# KiCad board PCB.kicad_pcb (continued)
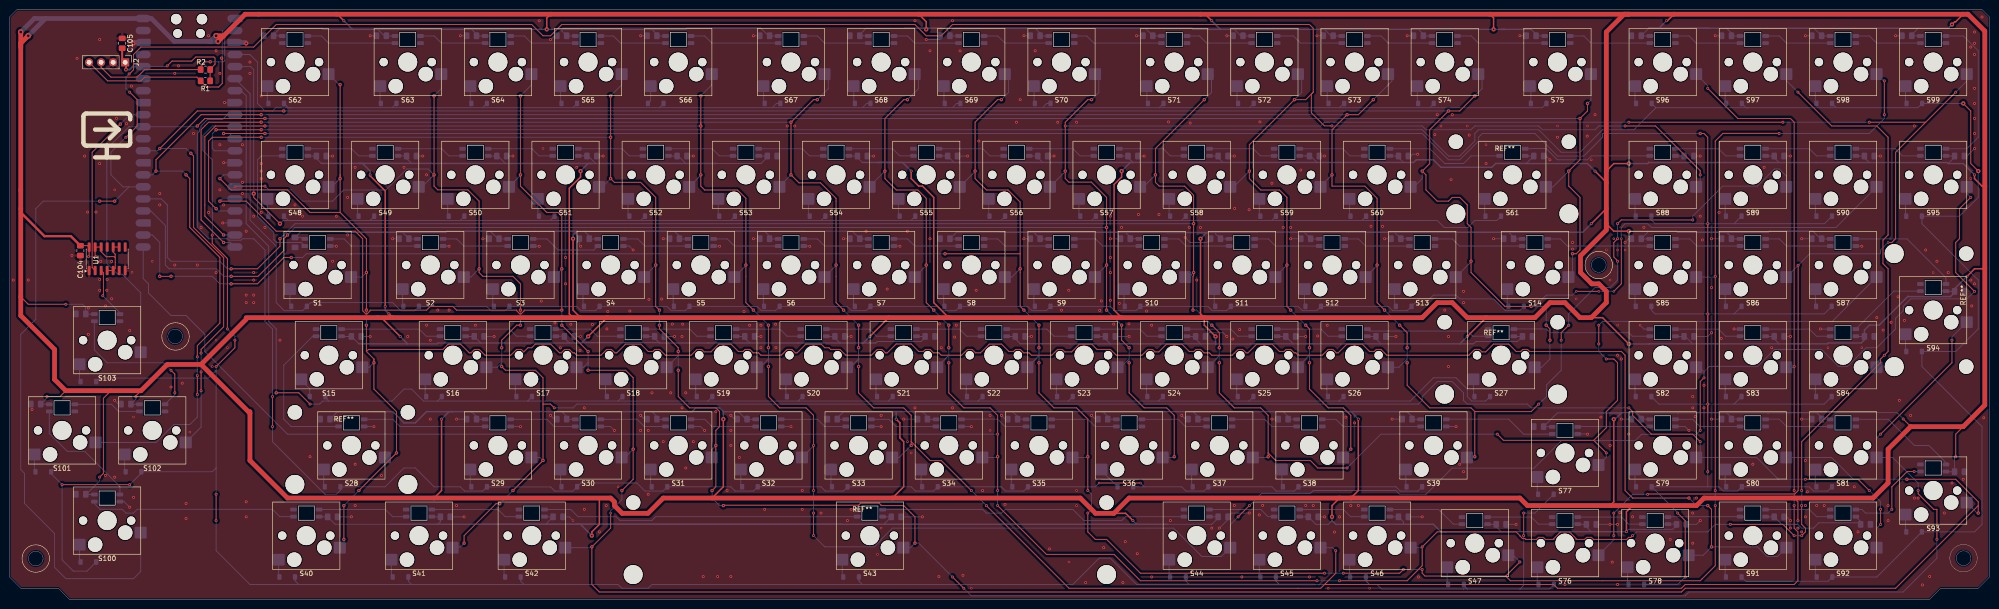
[diagram p0: board, top side]
## Placement (name value [footprint] x y rotation side) (continued)
S83  Keyswitch  [Hotswap_MX_1.00u]  368.28 51.59 180 top
S84  Keyswitch  [Hotswap_MX_1.00u]  387.32 51.59 180 top
S85  Keyswitch  [Hotswap_MX_1.00u]  349.23 70.64 180 top
S86  Keyswitch  [Hotswap_MX_1.00u]  368.28 70.64 180 top
S87  Keyswitch  [Hotswap_MX_1.00u]  387.32 70.64 180 top
S88  Keyswitch  [Hotswap_MX_1.00u]  349.23 89.69 180 top
S89  Keyswitch  [Hotswap_MX_1.00u]  368.28 89.69 180 top
S90  Keyswitch  [Hotswap_MX_1.00u]  387.32 89.69 180 top
S91  Keyswitch  [Hotswap_MX_1.00u]  368.28 13.49 180 top
S92  Keyswitch  [Hotswap_MX_1.00u]  387.32 13.49 180 top
S93  Keyswitch  [Hotswap_MX_2.00u_90deg]  406.37 23.02 180 top
S94  Keyswitch  [Hotswap_MX_2.00u_90deg]  406.37 61.11 180 top
S95  Keyswitch  [Hotswap_MX_1.00u]  406.37 89.69 180 top
S96  Keyswitch  [Hotswap_MX_1.00u]  349.23 113.5 180 top
S97  Keyswitch  [Hotswap_MX_1.00u]  368.28 113.5 180 top
S98  Keyswitch  [Hotswap_MX_1.00u]  387.32 113.5 180 top
S99  Keyswitch  [Hotswap_MX_1.00u]  406.37 113.5 180 top
S100  Keyswitch  [Hotswap_MX_1.00u]  20.64 16.67 180 top
S101  Keyswitch  [Hotswap_MX_1.00u]  11.11 35.72 180 top
S102  Keyswitch  [Hotswap_MX_1.00u]  30.16 35.72 180 top
S103  Keyswitch  [Hotswap_MX_1.00u]  20.64 54.77 180 top
U1  74AHCT125  [SOIC-14_3.9x8.7mm_P1.27mm]  20.64 71.96 90 top

## Library data of the parts
A1 = -: ki_fp_filters: RaspberryPi?Pico?Common* RaspberryPi?Pico?SMD*
C1-C105 = -: Description: Unpolarized capacitor, small symbol; ki_fp_filters: C_*
D1-D103 = -: Description: 1N4148 (DO-35) or 1N4148W (SOD-123); Sim.Device: D; Sim.Pins: 1=K 2=A; ki_fp_filters: D*DO?35*
D104-D206 = -: Datasheet: https://cdn-shop.adafruit.com/product-files/2686/SK6812MINI_REV.01-1-2.pdf; Description: RGB LED with integrated controller; ki_fp_filters: LED*SK6812MINI*PLCC*3.5x3.5mm*P1.75mm*
J2 = -: Description: Generic connector, single row, 01x04, script generated; ki_fp_filters: Connector*:*_1x??_*
R1 R2 = -: Description: Resistor; ki_fp_filters: R_*
S1-S103 = -: Description: Push button switch, normally open, two pins, 45° tilted
U1 = -: Datasheet: https://www.ti.com/lit/ds/symlink/sn74ahct125.pdf; Description: Quadruple Bus Buffer Gates With 3-State Outputs; ki_fp_filters: DIP*W7.62mm* SO14* SSOP?14* TSSOP?14* SOIC*3.9x8.7mm*P1.27mm*

## Footprints (pads in the part's own frame, mm; a bottom-side part is the same pattern mirrored in y, then rotated)
C_0805_2012Metric_Pad1.18x1.45mm_HandSolder
  rrect 1.175x1.45 smd: 1(-1.038,0) 2(1.038,0)
Diode_SOD-123
  rrect 0.9x1.2 smd: 1(-1.65,0) 2(1.65,0)
Hotswap_MX_1.00u
  round 1.75 hole 1.75 unplated: (-5.08,0) (5.08,0)
  round 3.05 hole 3.05 unplated: (-3.81,2.54) (2.54,5.08)
  round 4 hole 4 unplated: (0,0)
  rrect 2.55x2.5 smd far side: 1(-7.085,2.54) 2(5.842,5.08)
Hotswap_MX_1.25u
  round 1.75 hole 1.75 unplated: (-5.08,0) (5.08,0)
  round 3.05 hole 3.05 unplated: (-3.81,2.54) (2.54,5.08)
  round 4 hole 4 unplated: (0,0)
  rrect 2.55x2.5 smd far side: 1(-7.085,2.54) 2(5.842,5.08)
Hotswap_MX_1.50u
  round 1.75 hole 1.75 unplated: (-5.08,0) (5.08,0)
  round 3.05 hole 3.05 unplated: (-3.81,2.54) (2.54,5.08)
  round 4 hole 4 unplated: (0,0)
  rrect 2.55x2.5 smd far side: 1(-7.085,2.54) 2(5.842,5.08)
Hotswap_MX_1.75u
  round 1.75 hole 1.75 unplated: (-5.08,0) (5.08,0)
  round 3.05 hole 3.05 unplated: (-3.81,2.54) (2.54,5.08)
  round 4 hole 4 unplated: (0,0)
  rrect 2.55x2.5 smd far side: 1(-7.085,2.54) 2(5.842,5.08)
Hotswap_MX_2.00u
  round 1.75 hole 1.75 unplated: (-5.08,0) (5.08,0)
  round 3.05 hole 3.05 unplated: (-3.81,2.54) (2.54,5.08)
  round 4 hole 4 unplated: (0,0)
  rrect 2.55x2.5 smd far side: 1(-7.085,2.54) 2(5.842,5.08)
Hotswap_MX_2.00u_90deg
  round 1.75 hole 1.75 unplated: (-5.08,0) (5.08,0)
  round 3.05 hole 3.05 unplated: (-3.81,2.54) (2.54,5.08)
  round 4 hole 4 unplated: (0,0)
  rrect 2.55x2.5 smd far side: 1(-7.085,2.54) 2(5.842,5.08)
Hotswap_MX_2.25u
  round 1.75 hole 1.75 unplated: (-5.08,0) (5.08,0)
  round 3.05 hole 3.05 unplated: (-3.81,2.54) (2.54,5.08)
  round 4 hole 4 unplated: (0,0)
  rrect 2.55x2.5 smd far side: 1(-7.085,2.54) 2(5.842,5.08)
Hotswap_MX_6.25u
  round 1.75 hole 1.75 unplated: (-5.08,0) (5.08,0)
  round 3.05 hole 3.05 unplated: (-3.81,2.54) (2.54,5.08)
  round 4 hole 4 unplated: (0,0)
  rrect 2.55x2.5 smd far side: 1(-7.085,2.54) 2(5.842,5.08)
LED_SK6812MINI
  rrect 1.4x0.82 smd: 1(2.7,0.75) 2(2.7,-0.75) 3(-2.7,-0.75) 4(-2.7,0.75)
PinHeader_1x04_P2.54mm_Vertical
  rect 1.7x1.7 hole 1: 1(0,0)
  round 1.7 hole 1: 2(0,-2.54) 3(0,-5.08) 4(0,-7.62)
R_0805_2012Metric_Pad1.20x1.40mm_HandSolder
  rrect 1.2x1.4 smd: 1(-1,0) 2(1,0)
RaspberryPi_Pico_Common_SMD
  rect 3.8x2.2 smd: (-8.89,-24.13) (-8.89,-21.59) (-8.89,-19.05) (-8.89,-16.51) (-8.89,-13.97) (-8.89,-11.43) (-8.89,-8.89) (-8.89,-6.35) (-8.89,-3.81) (-8.89,-1.27) (-8.89,1.27) (-8.89,3.81) (-8.89,6.35) (-8.89,8.89) (-8.89,11.43) (-8.89,13.97) (-8.89,16.51) (-8.89,19.05) (-8.89,21.59) (-8.89,24.13) (8.89,-24.13) (8.89,-21.59) (8.89,-19.05) (8.89,-16.51) (8.89,-13.97) (8.89,-11.43) (8.89,-8.89) (8.89,-6.35) (8.89,-3.81) (8.89,-1.27) (8.89,1.27) (8.89,3.81) (8.89,6.35) (8.89,8.89) (8.89,11.43) (8.89,13.97) (8.89,16.51) (8.89,19.05) (8.89,21.59) (8.89,24.13)
  round 2.2 hole 2.2 unplated: (-2.725,24) (2.725,24)
  round 1.85 hole 1.85 unplated: (-2.425,20.97) (2.425,20.97)
  custom 3.2x1.6 smd: 1(-9.69,24.13) 3(-9.69,19.05) 8(-9.69,6.35) 13(-9.69,-6.35) 18(-9.69,-19.05) 23(9.69,-19.05) 28(9.69,-6.35) 33(9.69,6.35) 38(9.69,19.05)
  rrect 3.2x1.6 smd: 2(-9.69,21.59) 4(-9.69,16.51) 5(-9.69,13.97) 6(-9.69,11.43) 7(-9.69,8.89) 9(-9.69,3.81) 10(-9.69,1.27) 11(-9.69,-1.27) 12(-9.69,-3.81) 14(-9.69,-8.89) 15(-9.69,-11.43) 16(-9.69,-13.97) 17(-9.69,-16.51) 19(-9.69,-21.59) 20(-9.69,-24.13) 21(9.69,-24.13) 22(9.69,-21.59) 24(9.69,-16.51) 25(9.69,-13.97) 26(9.69,-11.43) 27(9.69,-8.89) 29(9.69,-3.81) 30(9.69,-1.27) 31(9.69,1.27) 32(9.69,3.81) 34(9.69,8.89) 35(9.69,11.43) 36(9.69,13.97) 37(9.69,16.51) 39(9.69,21.59) 40(9.69,24.13)
SOIC-14_3.9x8.7mm_P1.27mm
  rrect 1.95x0.6 smd: 1(-2.475,3.81) 2(-2.475,2.54) 3(-2.475,1.27) 4(-2.475,0) 5(-2.475,-1.27) 6(-2.475,-2.54) 7(-2.475,-3.81) 8(2.475,-3.81) 9(2.475,-2.54) 10(2.475,-1.27) 11(2.475,0) 12(2.475,1.27) 13(2.475,2.54) 14(2.475,3.81)
Stabilizer_MX_2.00u
  round 3.048 hole 3.048 unplated: (-11.938,6.985) (11.938,6.985)
  round 3.988 hole 3.988 unplated: (-11.938,-8.225) (11.938,-8.225)
Stabilizer_MX_6.25u
  round 3.048 hole 3.048 unplated: (-50,6.985) (50,6.985)
  round 3.988 hole 3.988 unplated: (-50,-8.225) (50,-8.225)

## Nets
+3V3: A1.36 C105.2 J2.1 R1.1 R2.1
+5V: A1.40 C1.1 C2.1 C3.1 C4.1 C5.1 C6.1 C7.1 C8.1 C9.1 C10.1 C11.1 C12.1 C13.1 C14.1 C15.1 C16.1 C17.1 C18.1 C19.1 C20.1 C21.1 C22.1 C23.1 C24.1 C25.1 C26.1 C27.1 C28.1 C29.1 C30.1 C31.1 C32.1 C33.1 C34.1 C35.1 C36.1 C37.1 C38.1 C39.1 C40.1 C41.1 C42.1 C43.1 C44.1 C45.1 C46.1 C47.1 C48.1 C49.1 C50.1 C51.1 C52.1 C53.1 C54.1 C55.1 C56.1 C57.1 C58.1 C59.1 C60.1 C61.1 C62.1 C63.1 C64.1 C65.1 C66.1 C67.1 C68.1 C69.1 C70.1 C71.1 C72.1 C73.1 C74.1 C75.1 C76.1 C77.1 C78.1 C79.1 C80.1 C81.1 C82.1 C83.1 C84.1 C85.1 C86.1 C87.1 C88.1 C89.1 C90.1 C91.1 C92.1 C93.1 C94.1 C95.1 C96.1 C97.1 C98.1 C99.1 C100.1 C101.1 C102.1 C103.1 C104.1 D104.1 D105.1 D106.1 D107.1 D108.1 D109.1 D110.1 D111.1 D112.1 D113.1 D114.1 D115.1 D116.1 D117.1 D118.1 D119.1 D120.1 D121.1 D122.1 D123.1 D124.1 D125.1 D126.1 D127.1 D128.1 D129.1 D130.1 D131.1 D132.1 D133.1 D134.1 D135.1 D136.1 D137.1 D138.1 D139.1 D140.1 D141.1 D142.1 D143.1 D144.1 D145.1 D146.1 D147.1 D148.1 D149.1 D150.1 D151.1 D152.1 D153.1 D154.1 D155.1 D156.1 D157.1 D158.1 D159.1 D160.1 D161.1 D162.1 D163.1 D164.1 D165.1 D166.1 D167.1 D168.1 D169.1 D170.1 D171.1 D172.1 D173.1 D174.1 D175.1 D176.1 D177.1 D178.1 D179.1 D180.1 D181.1 D182.1 D183.1 D184.1 D185.1 D186.1 D187.1 D188.1 D189.1 D190.1 D191.1 D192.1 D193.1 D194.1 D195.1 D196.1 D197.1 D198.1 D199.1 D200.1 D201.1 D202.1 D203.1 D204.1 D205.1 D206.1 U1.4 U1.5 U1.9 U1.10 U1.12 U1.13 U1.14
GND: A1.3 A1.8 A1.13 A1.18 A1.23 A1.28 A1.33 A1.38 C1.2 C2.2 C3.2 C4.2 C5.2 C6.2 C7.2 C8.2 C9.2 C10.2 C11.2 C12.2 C13.2 C14.2 C15.2 C16.2 C17.2 C18.2 C19.2 C20.2 C21.2 C22.2 C23.2 C24.2 C25.2 C26.2 C27.2 C28.2 C29.2 C30.2 C31.2 C32.2 C33.2 C34.2 C35.2 C36.2 C37.2 C38.2 C39.2 C40.2 C41.2 C42.2 C43.2 C44.2 C45.2 C46.2 C47.2 C48.2 C49.2 C50.2 C51.2 C52.2 C53.2 C54.2 C55.2 C56.2 C57.2 C58.2 C59.2 C60.2 C61.2 C62.2 C63.2 C64.2 C65.2 C66.2 C67.2 C68.2 C69.2 C70.2 C71.2 C72.2 C73.2 C74.2 C75.2 C76.2 C77.2 C78.2 C79.2 C80.2 C81.2 C82.2 C83.2 C84.2 C85.2 C86.2 C87.2 C88.2 C89.2 C90.2 C91.2 C92.2 C93.2 C94.2 C95.2 C96.2 C97.2 C98.2 C99.2 C100.2 C101.2 C102.2 C103.2 C104.2 C105.1 D104.3 D105.3 D106.3 D107.3 D108.3 D109.3 D110.3 D111.3 D112.3 D113.3 D114.3 D115.3 D116.3 D117.3 D118.3 D119.3 D120.3 D121.3 D122.3 D123.3 D124.3 D125.3 D126.3 D127.3 D128.3 D129.3 D130.3 D131.3 D132.3 D133.3 D134.3 D135.3 D136.3 D137.3 D138.3 D139.3 D140.3 D141.3 D142.3 D143.3 D144.3 D145.3 D146.3 D147.3 D148.3 D149.3 D150.3 D151.3 D152.3 D153.3 D154.3 D155.3 D156.3 D157.3 D158.3 D159.3 D160.3 D161.3 D162.3 D163.3 D164.3 D165.3 D166.3 D167.3 D168.3 D169.3 D170.3 D171.3 D172.3 D173.3 D174.3 D175.3 D176.3 D177.3 D178.3 D179.3 D180.3 D181.3 D182.3 D183.3 D184.3 D185.3 D186.3 D187.3 D188.3 D189.3 D190.3 D191.3 D192.3 D193.3 D194.3 D195.3 D196.3 D197.3 D198.3 D199.3 D200.3 D201.3 D202.3 D203.3 D204.3 D205.3 D206.3 J2.2 U1.1 U1.7
COL 0: A1.14 S1.1 S15.1 S28.1 S40.1 S48.1 S62.1 S78.1 S91.1
COL 1: A1.15 S2.1 S16.1 S29.1 S41.1 S49.1 S63.1 S79.1 S92.1
COL 2: A1.16 S3.1 S17.1 S30.1 S42.1 S50.1 S64.1 S80.1 S93.1
COL 3: A1.17 S4.1 S18.1 S31.1 S43.1 S51.1 S65.1 S81.1 S94.1
COL 4: A1.19 S5.1 S19.1 S32.1 S44.1 S52.1 S66.1 S82.1 S95.1
COL 5: A1.20 S6.1 S20.1 S33.1 S45.1 S53.1 S67.1 S83.1 S96.1
COL 6: A1.21 S7.1 S21.1 S34.1 S46.1 S54.1 S68.1 S84.1 S97.1
COL 7: A1.22 S8.1 S22.1 S35.1 S47.1 S55.1 S69.1 S85.1 S98.1
COL 8: A1.24 S9.1 S23.1 S36.1 S56.1 S70.1 S76.1 S86.1 S99.1
COL 9: A1.25 S10.1 S24.1 S37.1 S57.1 S71.1 S77.1 S87.1
COL 10: A1.26 S11.1 S25.1 S38.1 S58.1 S72.1 S88.1 S100.1
COL 11: A1.27 S12.1 S26.1 S39.1 S59.1 S73.1 S89.1 S101.1
COL 12: A1.29 S13.1 S27.1 S60.1 S74.1 S90.1 S102.1
COL 13: A1.31 S14.1 S61.1 S75.1 S103.1
LED DATA: D104.4 U1.3
LED GPIO: A1.32 U1.2
O-SCL: A1.2 J2.3 R2.2
O-SDA: A1.1 J2.4 R1.2
ROW 0: A1.4 D62.1 D63.1 D64.1 D65.1 D66.1 D67.1 D68.1 D69.1 D70.1 D71.1 D72.1 D73.1 D74.1 D75.1
ROW 1: A1.5 D48.1 D49.1 D50.1 D51.1 D52.1 D53.1 D54.1 D55.1 D56.1 D57.1 D58.1 D59.1 D60.1 D61.1
ROW 2: A1.6 D1.1 D2.1 D3.1 D4.1 D5.1 D6.1 D7.1 D8.1 D9.1 D10.1 D11.1 D12.1 D13.1 D14.1
ROW 3: A1.7 D15.1 D16.1 D17.1 D18.1 D19.1 D20.1 D21.1 D22.1 D23.1 D24.1 D25.1 D26.1 D27.1
ROW 4: A1.9 D28.1 D29.1 D30.1 D31.1 D32.1 D33.1 D34.1 D35.1 D36.1 D37.1 D38.1 D39.1
ROW 5: A1.10 D40.1 D41.1 D42.1 D43.1 D44.1 D45.1 D46.1 D47.1 D76.1 D77.1 D100.1 D101.1 D102.1 D103.1
ROW 6: A1.11 D78.1 D79.1 D80.1 D81.1 D82.1 D83.1 D84.1 D85.1 D86.1 D87.1 D88.1 D89.1 D90.1
ROW 7: A1.12 D91.1 D92.1 D93.1 D94.1 D95.1 D96.1 D97.1 D98.1 D99.1
Net-(D1-A): D1.2 S1.2
Net-(D2-A): D2.2 S2.2
Net-(D3-A): D3.2 S3.2
Net-(D4-A): D4.2 S4.2
Net-(D5-A): D5.2 S5.2
Net-(D6-A): D6.2 S6.2
Net-(D7-A): D7.2 S7.2
Net-(D8-A): D8.2 S8.2
Net-(D9-A): D9.2 S9.2
Net-(D10-A): D10.2 S10.2
Net-(D11-A): D11.2 S11.2
Net-(D12-A): D12.2 S12.2
Net-(D13-A): D13.2 S13.2
Net-(D14-A): D14.2 S14.2
Net-(D15-A): D15.2 S15.2
Net-(D16-A): D16.2 S16.2
Net-(D17-A): D17.2 S17.2
Net-(D18-A): D18.2 S18.2
Net-(D19-A): D19.2 S19.2
Net-(D20-A): D20.2 S20.2
Net-(D21-A): D21.2 S21.2
Net-(D22-A): D22.2 S22.2
Net-(D23-A): D23.2 S23.2
Net-(D24-A): D24.2 S24.2
Net-(D25-A): D25.2 S25.2
Net-(D26-A): D26.2 S26.2
Net-(D27-A): D27.2 S27.2
Net-(D28-A): D28.2 S28.2
Net-(D29-A): D29.2 S29.2
Net-(D30-A): D30.2 S30.2
Net-(D31-A): D31.2 S31.2
Net-(D32-A): D32.2 S32.2
Net-(D33-A): D33.2 S33.2
Net-(D34-A): D34.2 S34.2
Net-(D35-A): D35.2 S35.2
Net-(D36-A): D36.2 S36.2
Net-(D37-A): D37.2 S37.2
Net-(D38-A): D38.2 S38.2
Net-(D39-A): D39.2 S39.2
Net-(D40-A): D40.2 S40.2
Net-(D41-A): D41.2 S41.2
Net-(D42-A): D42.2 S42.2
Net-(D43-A): D43.2 S43.2
Net-(D44-A): D44.2 S44.2
Net-(D45-A): D45.2 S45.2
Net-(D46-A): D46.2 S46.2
Net-(D47-A): D47.2 S47.2
Net-(D48-A): D48.2 S48.2
Net-(D49-A): D49.2 S49.2
Net-(D50-A): D50.2 S50.2
Net-(D51-A): D51.2 S51.2
Net-(D52-A): D52.2 S52.2
Net-(D53-A): D53.2 S53.2
Net-(D54-A): D54.2 S54.2
Net-(D55-A): D55.2 S55.2
Net-(D56-A): D56.2 S56.2
Net-(D57-A): D57.2 S57.2
Net-(D58-A): D58.2 S58.2
Net-(D59-A): D59.2 S59.2
Net-(D60-A): D60.2 S60.2
Net-(D61-A): D61.2 S61.2
Net-(D62-A): D62.2 S62.2
Net-(D63-A): D63.2 S63.2
Net-(D64-A): D64.2 S64.2
Net-(D65-A): D65.2 S65.2
Net-(D66-A): D66.2 S66.2
Net-(D67-A): D67.2 S67.2
Net-(D68-A): D68.2 S68.2
Net-(D69-A): D69.2 S69.2
Net-(D70-A): D70.2 S70.2
Net-(D71-A): D71.2 S71.2
Net-(D72-A): D72.2 S72.2
Net-(D73-A): D73.2 S73.2
Net-(D74-A): D74.2 S74.2
Net-(D75-A): D75.2 S75.2
Net-(D76-A): D76.2 S76.2
Net-(D77-A): D77.2 S77.2
Net-(D78-A): D78.2 S78.2
Net-(D79-A): D79.2 S79.2
Net-(D80-A): D80.2 S80.2
Net-(D81-A): D81.2 S81.2
Net-(D82-A): D82.2 S82.2
Net-(D83-A): D83.2 S83.2
Net-(D84-A): D84.2 S84.2
Net-(D85-A): D85.2 S85.2
Net-(D86-A): D86.2 S86.2
Net-(D87-A): D87.2 S87.2
Net-(D88-A): D88.2 S88.2
Net-(D89-A): D89.2 S89.2
Net-(D90-A): D90.2 S90.2
Net-(D91-A): D91.2 S91.2
Net-(D92-A): D92.2 S92.2
Net-(D93-A): D93.2 S93.2
Net-(D94-A): D94.2 S94.2
Net-(D95-A): D95.2 S95.2
Net-(D96-A): D96.2 S96.2
Net-(D97-A): D97.2 S97.2
Net-(D98-A): D98.2 S98.2
Net-(D99-A): D99.2 S99.2
Net-(D100-A): D100.2 S100.2
Net-(D101-A): D101.2 S101.2
Net-(D102-A): D102.2 S102.2
Net-(D103-A): D103.2 S103.2
Net-(D104-DOUT): D104.2 D105.4
Net-(D105-DOUT): D105.2 D106.4
Net-(D106-DOUT): D106.2 D107.4
Net-(D107-DOUT): D107.2 D108.4
Net-(D108-DOUT): D108.2 D109.4
Net-(D109-DOUT): D109.2 D110.4
Net-(D110-DOUT): D110.2 D111.4
Net-(D111-DOUT): D111.2 D112.4
Net-(D112-DOUT): D112.2 D113.4
Net-(D113-DOUT): D113.2 D114.4
Net-(D114-DOUT): D114.2 D115.4
Net-(D115-DOUT): D115.2 D116.4
Net-(D116-DOUT): D116.2 D117.4
Net-(D117-DOUT): D117.2 D118.4
Net-(D118-DOUT): D118.2 D119.4
Net-(D119-DOUT): D119.2 D120.4
Net-(D120-DOUT): D120.2 D121.4
Net-(D121-DOUT): D121.2 D122.4
Net-(D122-DOUT): D122.2 D123.4
Net-(D123-DOUT): D123.2 D124.4
Net-(D124-DOUT): D124.2 D125.4
Net-(D125-DOUT): D125.2 D126.4
Net-(D126-DOUT): D126.2 D127.4
Net-(D127-DOUT): D127.2 D128.4
Net-(D128-DOUT): D128.2 D129.4
Net-(D129-DOUT): D129.2 D130.4
Net-(D130-DOUT): D130.2 D131.4
Net-(D131-DOUT): D131.2 D132.4
Net-(D132-DOUT): D132.2 D133.4
Net-(D133-DOUT): D133.2 D134.4
Net-(D134-DOUT): D134.2 D135.4
Net-(D135-DOUT): D135.2 D136.4
Net-(D136-DOUT): D136.2 D137.4
Net-(D137-DOUT): D137.2 D138.4
Net-(D138-DOUT): D138.2 D139.4
Net-(D139-DOUT): D139.2 D140.4
Net-(D140-DOUT): D140.2 D141.4
Net-(D141-DOUT): D141.2 D142.4
Net-(D142-DOUT): D142.2 D143.4
Net-(D143-DOUT): D143.2 D144.4
Net-(D144-DOUT): D144.2 D145.4
Net-(D145-DOUT): D145.2 D146.4
Net-(D146-DOUT): D146.2 D147.4
Net-(D147-DOUT): D147.2 D148.4
Net-(D148-DOUT): D148.2 D149.4
Net-(D149-DOUT): D149.2 D150.4
Net-(D150-DOUT): D150.2 D151.4
Net-(D151-DOUT): D151.2 D152.4
Net-(D152-DOUT): D152.2 D153.4
Net-(D153-DOUT): D153.2 D154.4
Net-(D154-DOUT): D154.2 D155.4
Net-(D155-DOUT): D155.2 D156.4
Net-(D156-DOUT): D156.2 D157.4
Net-(D157-DOUT): D157.2 D158.4
Net-(D158-DOUT): D158.2 D159.4
Net-(D159-DOUT): D159.2 D160.4
Net-(D160-DOUT): D160.2 D161.4
Net-(D161-DOUT): D161.2 D162.4
Net-(D162-DOUT): D162.2 D163.4
Net-(D163-DOUT): D163.2 D164.4
Net-(D164-DOUT): D164.2 D165.4
Net-(D165-DOUT): D165.2 D166.4
Net-(D166-DOUT): D166.2 D167.4
Net-(D167-DOUT): D167.2 D168.4
Net-(D168-DOUT): D168.2 D169.4
Net-(D169-DOUT): D169.2 D170.4
Net-(D170-DOUT): D170.2 D171.4
Net-(D171-DOUT): D171.2 D172.4
Net-(D172-DOUT): D172.2 D173.4
Net-(D173-DOUT): D173.2 D174.4
Net-(D174-DOUT): D174.2 D175.4
Net-(D175-DOUT): D175.2 D176.4
Net-(D176-DOUT): D176.2 D177.4
Net-(D177-DOUT): D177.2 D178.4
Net-(D178-DOUT): D178.2 D179.4
Net-(D179-DOUT): D179.2 D180.4
Net-(D180-DOUT): D180.2 D181.4
Net-(D181-DOUT): D181.2 D182.4
Net-(D182-DOUT): D182.2 D183.4
Net-(D183-DOUT): D183.2 D184.4
Net-(D184-DOUT): D184.2 D185.4
Net-(D185-DOUT): D185.2 D186.4
Net-(D186-DOUT): D186.2 D187.4
Net-(D187-DOUT): D187.2 D188.4
Net-(D188-DOUT): D188.2 D189.4
Net-(D189-DOUT): D189.2 D190.4
Net-(D190-DOUT): D190.2 D191.4
Net-(D191-DOUT): D191.2 D192.4
Net-(D192-DOUT): D192.2 D193.4
Net-(D193-DOUT): D193.2 D194.4
Net-(D194-DOUT): D194.2 D195.4
Net-(D195-DOUT): D195.2 D196.4
Net-(D196-DOUT): D196.2 D197.4
Net-(D197-DOUT): D197.2 D198.4
Net-(D198-DOUT): D198.2 D199.4
Net-(D199-DOUT): D199.2 D200.4
Net-(D200-DOUT): D200.2 D201.4
Net-(D201-DOUT): D201.2 D202.4
Net-(D202-DOUT): D202.2 D203.4
Net-(D203-DOUT): D203.2 D204.4
Net-(D204-DOUT): D204.2 D205.4
Net-(D205-DOUT): D205.2 D206.4

Pads without a net: A1 30 34 35 37 39; D206 2; U1 6 8 11

## Via types
v1: diameter 0.6, hole 0.3, Top to Bottom, 557 vias
v2: diameter 0.5, hole 0.3, Top to Bottom, 49 vias
v3: diameter 0.7, hole 0.3, Top to Bottom, 163 vias
v4: diameter 0.9, hole 0.4, Top to Bottom, 23 vias
v5: diameter 0.8, hole 0.4, Top to Bottom, 1 via
v6: diameter 0.6, hole 0.35, Top to Bottom, 17 vias
v7: diameter 0.6, hole 0.4, Top to Bottom, 2 vias
v8: diameter 1.2, hole 0.6, Top to Bottom, 4 vias

## Routing (per net, layer and track width the routed paths; a pad name or vN(x,y) marks a point on that pad's centre or on a via; arc(x,y) is an arc through that point)
+3V3: length 31.2
  Top w0.2: v1(33.34,112.71) 34.34,113.71 38.49,113.71 39.36,114.58 43.17,114.58 43.43,114.33 43.43,113.06 42.39,112.02 R2.1 ; R2.1 R1.1 ; R2.1 42.39,112.59
  Top w0.4: v5(24.6,111.91) 24.6,112.71 24.44,112.87 24.44,113.85 ; J2.1 23.81,114.07 C105.2
  Bottom w0.2: v1(33.34,112.71) 33.18,112.55 A1.36
  Bottom w0.4: v5(24.6,111.91) 25.4,111.91 26.03,112.55 A1.36
+5V: length 4206.8
  Top w0.2: 16.83,72.56 U1.14 16.54,74.72 C104.1 ; v1(411.14,30.16) 411.14,34.92 412.72,36.51 ; v1(377.8,16.67) 377.8,20.64 377.01,21.43 ; 27.78,44.1 26.71,43.03 v1(26.71,42.86) ; v1(7.94,42.86) 10.67,42.86 11.91,44.1 ; 2.38,63.94 3.97,62.35 v1(11.91,62.35) ; v1(19.05,25.84) 19.84,26.64 19.84,42.51 21.43,44.1 ; U1.4 U1.5 22.35,69.92 22.35,72.93 21.91,73.36 U1.10 U1.9 ; 22.35,72.16 22.09,72.42 21.13,72.42 21.11,72.4 20.42,72.4 19.37,73.46 ; v1(400.04,38.13) 401.61,36.56 401.61,36.51 ; U1.12 U1.13 18.1,72.56
  Top w0.3: 234.94,59.53 233.35,61.11 233.35,87.65 234.94,89.24 v4(234.94,90.48) ; v6(334.15,79.37) 337.32,82.54 ; 198.43,59.53 195.25,62.7 195.25,84.93 192.87,87.31 192.08,87.31 190.49,88.89 v6(190.49,90.48) ; v6(253.98,122.23) 252.6,123.61 251.6,123.61 ; 283.35,21.43 284.94,23.02 v7(284.94,38.1) ; v6(181.76,55.56) 185.73,59.53 ; v4(120.64,90.48) 120.64,89.24 118.26,86.86 118.26,60.32 119.06,59.53 ; 69.05,123.61 69.26,123.61 v6(70.64,122.23) ; v4(410.34,121.44) 410.93,122.02 411.14,122.02 412.72,123.61 ; 417.28,69.85 415.11,69.85 v6(413.52,68.26) ; 351.61,123.61 350.23,122.23 v6(350.02,122.23) ; v4(313.51,120.41) 313.51,122.82 312.72,123.61 ; v6(415.11,89.69) 415.11,88.89 416.69,87.31 417.28,87.31 ; 192.08,123.61 193.66,122.02 v4(193.66,120.41) ; v7(187.31,38.1) 188.11,37.3 188.11,34.13 188.9,33.34 188.9,23.81 186.52,21.43 ; 124.61,21.43 124.61,15.87 123.02,14.29 v4(123.02,13.49) ; 342.88,19.84 341.58,18.54 v6(341.58,14.33) ; v6(76.2,89.69) 76.2,89.47 79.37,86.29 v6(79.37,61.91) ; v6(237.32,16.67) 235.78,18.2 233.3,18.2 ; 337.32,90.48 338.91,92.07 v4(342.08,92.07) ; v4(254.78,55.56) 252.4,57.94 252.4,59.53 251.6,60.32 v4(251.6,76.2) ; v4(279.38,17.46) 279.38,19.84 280.97,21.43 ; v4(342.08,77.78) 338.91,77.78 337.32,79.37 ; v4(119.06,76.2) 119.06,61.11 120.64,59.53 ; v6(334.94,90.48) 337.32,88.1 ; 334.15,59.53 336.53,59.53 v4(342.08,53.97) ; v4(150.8,38.1) 150.8,23.81 148.42,21.43 ; v6(91.28,38.1) 91.28,23.02 89.69,21.43 ; 114.29,123.61 113.5,122.82 v4(113.5,120.41) ; v6(307.96,55.56) 311.92,59.53 ; 338.12,19.84 338.91,20.64 v4(338.91,38.1) ; v6(80.16,60.32) 80.96,59.53 ; v6(82.54,55.56) 78.58,59.53 77.78,59.53 ; v4(122.23,55.56) 126.2,59.53
  Top w0.5: 2.38,81.75 7.4,76.74 12.97,76.74 C104.1
  Top w1: 2.38,81.4 2.38,59.97 9.52,52.83 9.52,46.48 11.91,44.1 27.78,44.1 33.34,49.65 40.48,49.65 ; 2.38,116.67 2.38,81.75 ; 2.38,116.67 v8(2.38,119.85) ; 2.38,116.67 2.38,117.47 v8(3.97,119.06) ; 342.08,123.61 413.73,123.61 417.28,120.06 417.28,41.07 412.72,36.51 401.61,36.51 396.85,31.75 396.85,24.6 393.68,21.43 357.96,21.43 356.37,19.84 320.65,19.84 319.07,21.43 236.52,21.43 233.3,18.2 229.43,18.2 226.2,21.43 138.1,21.43 134.88,18.2 129.43,18.2 127.79,19.84 127.79,20.64 126.99,21.43 58.73,21.43 50.8,29.37 50.8,39.69 ; 342.08,123.61 341.08,123.61 337.32,119.85 337.32,78.03 331.88,72.59 331.88,69.04 334.26,66.67 335.74,66.67 337.32,65.08 337.32,62.7 334.15,59.53 331.77,59.53 328.59,62.7 325.42,62.7 322.24,59.53 307.96,59.53 304.78,62.7 301.61,62.7 298.43,59.53 50,59.53 ; 342.08,123.61 49.8,123.61 45.24,119.06 ; 45.24,119.06 v8(44.05,117.86) ; 45.24,119.06 v8(43.65,119.06) ; 40.48,49.65 50.8,39.34 ; 40.48,49.65 50,59.18
  Bottom w0.2: C49.1 390.07,55.56 D152.1 ; v1(11.91,62.35) 15.43,62.35 16.04,61.74 16.04,59.8 ; D171.1 63.06,93.66 C67.1 64.84,93.14 65.88,92.1 ; 70.98,77.57 70.88,77.67 61.55,77.67 C66.1 62.1,76.44 D170.1 ; 97.63,120.41 98.66,119.37 C100.1 98.71,119.01 D204.1 ; D144.1 210.69,55.56 C41.1 212.47,55.07 213.51,54.03 ; 377.8,15.87 v1(377.8,16.67) ; 377.8,15.87 378.59,15.08 381.1,15.08 382.23,16.21 390.59,16.21 ; 377.8,15.87 374.38,15.87 C16.1 371.02,17.46 D118.1 ; D145.1 229.74,55.56 C42.1 231.52,55.04 232.55,54 ; D202.1 136.8,119.01 C98.1 136.76,119.37 135.72,120.41 ; v1(19.05,25.84) 19.05,25.05 16.12,22.12 ; 292.53,77.57 C55.1 295.69,76.2 D158.1 ; 113.5,15.89 113.5,16.12 C8.1 113.07,17.46 D110.1 ; 256.37,92.3 255.33,93.34 C77.1 253.55,93.66 D181.1 ; 316.69,77.57 317.72,76.54 C54.1 317.77,76.15 D157.1 ; 334.15,14.33 333.11,15.37 C14.1 331.34,15.87 D116.1 ; D161.1 238.54,76.2 C58.1 236.77,76.54 235.73,77.57 ; 381.22,120.64 C87.1 382.85,119.01 D190.1 ; 403.2,120.64 401.86,119.3 C86.1 403.63,119.06 D189.1 ; D199.1 198.71,119.01 C95.1 198.67,119.6 197.63,120.64 ; 192.87,39.69 193.91,38.65 C28.1 193.95,38.05 D130.1 ; D155.1 363.8,76.15 363.76,76.2 363.76,76.54 362.72,77.57 ; D143.1 191.64,55.56 C40.1 193.42,55.32 192.61,54.5 183.32,54.5 183,54.18 ; D182.1 273.78,93.7 273.83,93.66 C78.1 274.85,93.66 276.21,92.3 ; 269.06,39.69 270.1,38.65 C24.1 271.88,38.1 D126.1 ; 271.17,54 C44.1 267.84,55.56 D147.1 ; D185.1 351.97,93.66 C82.1 354.2,93.66 355.58,92.28 ; 90.48,15.89 91.03,16.44 C7.1 89.26,17.46 D109.1 ; 294.46,15.9 294.46,16.42 C12.1 291.65,17.46 D114.1 ; D106.1 8.37,41.27 C2.1 7.94,42.62 v1(7.94,42.86) ; 277.8,120.41 279.15,119.06 C91.1 279.67,119.01 D195.1 ; 76.99,39.69 69.3,39.69 C6.1 69.48,38.1 D136.1 ; 104.77,92.09 103.2,93.66 C69.1 101.16,93.66 D173.1 ; D112.1 253.55,17.46 C10.1 255.33,17.22 253.98,15.87 253.96,15.89 244.72,15.89 ; D122.1 365.53,38.1 363.76,38.1 363.76,38.44 362.72,39.47 ; D131.1 174.9,38.05 C29.1 174.86,38.34 176.2,39.69 185.48,39.69 ; D156.1 344.75,76.15 C53.1 346.05,77.54 346.05,77.78 ; D124.1 325.85,36.51 C22.1 326.97,39.4 336,39.4 ; 250.02,39.69 251.05,38.65 C25.1 251.1,38.05 D127.1 ; 77.78,120.41 79.14,119.06 C101.1 79.66,119.01 D205.1 ; D201.1 160.61,119.01 C97.1 160.33,119.06 158.74,120.64 ; 297.64,120.41 298.68,119.37 C90.1 298.72,119.01 D194.1 ; D175.1 139.26,93.66 C71.1 141.3,93.66 142.87,92.09 ; 83,77.57 C65.1 84.42,76.15 86.19,76.15 ; D176.1 158.31,93.66 C72.1 160.08,93.41 158.76,92.09 149.48,92.09 ; 118.26,54.18 117.22,55.22 C36.1 117.18,55.6 D139.1 ; 258.75,120.41 260.1,119.06 C92.1 260.62,119.01 D196.1 ; 137.31,54.18 136.27,55.22 C37.1 134.5,55.56 D140.1 ; 181.44,119.01 181.39,119.06 C96.1 179.62,119.3 180.96,120.64 189.22,120.64 ; 230.97,39.69 232,38.65 C26.1 232.05,38.05 D128.1 ; C50.1 409.12,65.08 D153.1 ; D120.1 409.12,26.99 C18.1 410.89,29.92 v1(411.14,30.16) ; 153.98,39.69 155.57,38.1 C30.1 155.85,38.05 D132.1 ; 343.67,39.47 344.71,38.44 C21.1 346.48,38.1 D123.1 ; 315.1,14.33 314.06,15.37 C13.1 312.29,15.87 D115.1 ; v1(26.71,42.86) 26.71,42.34 C3.1 25.69,41.23 D105.1 ; D184.1 320.22,93.66 C80.1 320.41,92.07 ; D192.1 344.75,119.01 C88.1 346.3,120.64 354.78,120.64 ; D198.1 217.76,119.01 C94.1 217.72,119.6 216.68,120.64 ; D104.1 16.16,60.28 C1.1 ; D193.1 324.26,119.06 C89.1 322.49,119.37 321.45,120.41 ; D179.1 215.46,93.66 C75.1 217.23,93.34 218.27,92.3 ; 362.72,120.64 363.76,119.6 363.76,119.06 363.8,119.01 D191.1 ; 211.92,39.69 212.96,38.65 C27.1 214.73,38.1 D129.1 ; 156.36,54.18 155.32,55.22 C38.1 153.55,55.56 D141.1 ; 279.38,16.67 278.59,15.87 275.96,15.87 C11.1 272.6,17.46 D113.1 ; 254.78,77.57 254.78,77.23 C56.1 255.86,76.15 D160.1 ; D148.1 286.89,55.56 C45.1 288.66,55.04 289.7,54 ; D142.1 172.6,55.56 C39.1 174.37,55.22 175.41,54.18 ; D117.1 352.12,15.92 C15.1 352.16,15.63 351.35,14.82 342.06,14.82 v6(341.58,14.33) ; D174.1 121.94,93.7 C70.1 122.25,93.66 123.82,92.09 ; D163.1 198.71,76.15 C81.1 200.05,77.57 208.95,77.57 ; D167.1 122.52,76.15 C63.1 122.47,76.75 121.44,77.78 ; D134.1 117.76,38.05 C32.1 117.71,38.65 116.67,39.69 ; D107.1 16.16,22.18 C4.1 ; D149.1 317.84,55.56 C46.1 318.56,54.5 309.81,54.5 309.31,54 309.02,54 ; 251.6,54 250.57,55.04 C43.1 248.79,55.56 D146.1 ; 392.88,92.28 391.84,93.32 C84.1 390.07,93.66 D187.1 ; D125.1 296.34,38.05 C23.1 296.29,38.65 295.26,39.69 ; 199.54,92.3 C74.1 198.14,93.7 D178.1 ; D188.1 409.12,93.66 C85.1 410.89,93.41 409.55,92.07 ; v1(400.04,38.13) 398.7,39.47 381.77,39.47 382.81,38.44 C19.1 382.85,38.05 D121.1 ; 84.93,92.1 83.89,93.14 C68.1 83.84,93.7 D172.1 ; 216.34,77.57 C59.1 217.76,76.15 D162.1 ; 99.55,54.18 C35.1 96.4,55.56 D138.1 ; 101.59,77.78 103.18,76.2 C64.1 103.47,76.15 D168.1 ; D111.1 184.5,17.46 C9.1 184.93,16.12 184.93,15.89 ; D150.1 351.97,55.56 C47.1 354.02,55.56 355.58,54 ; D180.1 234.5,93.66 C76.1 236.28,93.34 237.32,92.3 ; D165.1 160.61,76.15 C61.1 160.57,76.75 159.53,77.78 ; 135.72,39.69 136.76,38.65 C31.1 136.8,38.05 D133.1 ; D177.1 177.36,93.66 C73.1 179.13,93.34 180.17,92.3 ; 373.83,54 372.8,55.04 C48.1 371.02,55.56 D151.1 ; C17.1 391.05,16.48 D119.1 ; D159.1 274.91,76.15 C57.1 273.46,77.6 ; D166.1 141.57,76.15 C62.1 141.52,76.75 140.48,77.78 ; D206.1 57.58,119.06 C102.1 55.8,119.3 57.15,120.64 65.97,120.64 66.2,120.41 ; 181.44,76.15 179.66,76.15 C60.1 178.03,77.78 168.02,77.78 ; 116.67,120.41 116.67,120.09 C99.1 117.76,119.01 D203.1 ; D197.1 241.57,119.01 C93.1 239.94,120.64 ; 380.98,77.78 382.56,76.2 C51.1 382.85,76.15 D154.1 ; 373.83,92.28 372.8,93.32 C83.1 371.02,93.66 D186.1 ; D183.1 291.65,93.66 C79.1 293.43,93.34 294.46,92.3 ; D137.1 70.21,55.56 C34.1 72.26,55.56 73.81,54 ; 80.43,15.89 68.79,15.89 C5.1 65.45,17.46 D108.1 ; D135.1 98.71,38.05 C33.1 98.66,38.65 97.63,39.69 ; v1(18.26,72.4) v1(16.67,72.4)
  Bottom w0.3: 119.85,54.25 119.78,54.18 90.52,54.18 90.34,54 84.1,54 ; 119.85,54.25 120.92,54.25 v4(122.23,55.56) ; 119.85,54.25 137.24,54.25 137.31,54.18 147.52,54.18 147.59,54.25 147.66,54.18 166.57,54.18 166.64,54.25 166.71,54.18 180.17,54.18 ; 381.77,92.28 362.52,92.28 362.45,92.35 362.38,92.28 346.33,92.28 346.26,92.35 346.26,92.28 346.05,92.07 v4(342.08,92.07) ; 336,39.4 340.5,39.4 ; 340.5,39.4 340.57,39.47 352.37,39.47 352.44,39.4 352.51,39.47 371.42,39.47 371.49,39.4 371.56,39.47 381.77,39.47 ; 340.5,39.4 339.19,38.1 v4(338.91,38.1) ; 282.56,39.69 295.26,39.69 ; 282.56,39.69 283.35,39.69 v7(284.94,38.1) ; 282.56,39.69 187.31,39.69 ; 380.98,77.78 371.77,77.78 371.56,77.57 352.37,77.57 352.16,77.78 v4(342.08,77.78) ; 72.46,120.41 142.85,120.41 143.08,120.64 158.74,120.64 ; 72.46,120.41 66.2,120.41 ; 72.46,120.41 v6(70.64,122.23) ; v6(350.02,122.23) 348.43,120.64 346.3,120.64 358.75,120.64 ; 255.8,120.41 315.89,120.41 ; 255.8,120.41 v6(253.98,122.23) ; 255.8,120.41 250,120.41 249.77,120.64 196.84,120.64 ; 180.17,54.18 180.38,54.18 v6(181.76,55.56) ; 180.17,54.18 183,54.18 ; 84.1,54 73.81,54 ; 84.1,54 v6(82.54,55.56) ; 150.8,39.69 150.01,40.48 145,40.48 144.21,39.69 93.66,39.69 ; 150.8,39.69 153.98,39.69 ; 150.8,39.69 v4(150.8,38.1) ; 73.81,92.1 92.08,92.1 92.09,92.09 123.02,92.09 ; 73.81,92.1 74.57,92.1 76.2,90.48 v6(76.2,89.69) ; 73.81,92.1 73.05,92.1 ; 196.84,120.64 192.08,120.64 ; 196.84,120.64 193.89,120.64 v4(193.66,120.41) 193.43,120.64 192.08,120.64 ; 237.32,92.3 183.34,92.3 ; 237.32,92.3 236.75,92.3 v4(234.94,90.48) ; 237.32,92.3 296.61,92.3 297.18,92.86 300.81,92.86 302.4,91.28 313.15,91.28 313.96,92.09 320.39,92.09 320.41,92.07 333.35,92.07 v6(334.94,90.48) ; 187.31,39.69 v7(187.31,38.1) ; 187.31,39.69 185.48,39.69 ; 119.85,77.78 92.39,77.78 92.11,77.5 92.03,77.57 70.98,77.57 ; 119.85,77.78 119.06,76.99 v4(119.06,76.2) ; 119.85,77.78 168.02,77.78 ; v6(91.28,38.1) 92.86,39.69 93.66,39.69 ; 183.34,92.3 188.67,92.3 v6(190.49,90.48) ; 183.34,92.3 180.17,92.3 ; 358.75,120.64 409.55,120.64 v4(410.34,121.44) ; 358.75,120.64 354.78,120.64 ; 192.08,120.64 189.22,120.64 ; v6(413.52,68.26) 410.89,65.63 C50.1 410.89,64.84 410.03,63.98 401.09,63.98 401.04,64.03 394.96,57.94 392.88,57.94 391.84,56.9 C49.1 391.84,54.83 391.2,54.18 384.19,54.18 384.01,54 346.39,54 346.36,53.97 v4(342.08,53.97) ; 100.01,15.89 119.85,15.89 ; 100.01,15.89 80.43,15.89 ; 100.01,15.89 175.67,15.89 ; 123.02,92.09 122.25,92.09 v4(120.64,90.48) ; 123.02,92.09 149.48,92.09 ; v4(251.6,76.2) 252.91,77.5 253.19,77.5 ; 119.85,15.89 120.62,15.89 v4(123.02,13.49) ; 119.85,15.89 175.67,15.89 ; 76.99,39.69 80.96,39.69 83.34,37.3 85.72,37.3 88.1,39.69 93.66,39.69 ; v6(80.16,60.32) 79.37,61.11 v6(79.37,61.91) ; 213.51,54.03 224.01,54.03 224.07,53.97 224.1,54 243.09,54 243.12,53.97 243.15,54 254.75,54 254.78,53.97 ; v6(341.58,14.33) 322.53,14.33 322.49,14.29 322.45,14.33 303.48,14.33 303.44,14.29 302.4,14.29 300.78,15.9 282.83,15.9 282.8,15.87 280.18,15.87 279.38,16.67 v4(279.38,17.46) ; 175.67,15.89 238.11,15.89 ; 306.37,54 281.24,54 281.21,53.97 281.18,54 262.2,54 262.16,53.97 254.78,53.97 ; 306.37,54 309.02,54 ; 306.37,54 306.4,54 v6(307.96,55.56) ; 209.08,77.57 225.38,77.57 225.45,77.5 225.52,77.57 244.42,77.57 244.5,77.5 253.19,77.5 ; v6(415.11,89.69) 412.72,92.07 409.55,92.07 409.34,92.28 381.57,92.28 ; v6(334.15,79.37) 332.35,77.57 301.71,77.57 301.64,77.5 301.57,77.57 282.52,77.57 282.5,77.6 263.64,77.6 263.62,77.57 253.26,77.57 253.19,77.5 ; 254.78,53.97 v4(254.78,55.56) ; 238.11,15.89 244.72,15.89 ; 238.11,15.89 238.09,15.89 v6(237.32,16.67) ; 65.88,92.1 72.99,92.1 ; 315.1,120.41 321.45,120.41
  Bottom w1: 42.07,117.87 34.82,117.87 29.98,122.71 A1.40 7.62,122.71 ; 42.07,117.87 43.25,117.87 43.26,117.86 v8(44.05,117.86) ; 42.07,117.87 42.47,117.87 v8(43.65,119.06) ; v8(2.38,119.85) 5.24,122.71 7.62,122.71 ; 7.62,122.71 v8(3.97,119.06)
